# Altium PCB controleo3_clone.PcbDoc (part 2 of 2)
Units mm, origin at the board's own origin, x right, y up, seen from the top; angles counter-clockwise.
Board outline 128 x 70 mm, 4 copper layers (Top Layer, GND, PWR, Bottom Layer), stack 1.571 mm thick; 93 components, 97 nets, 462 pads, 160 vias.
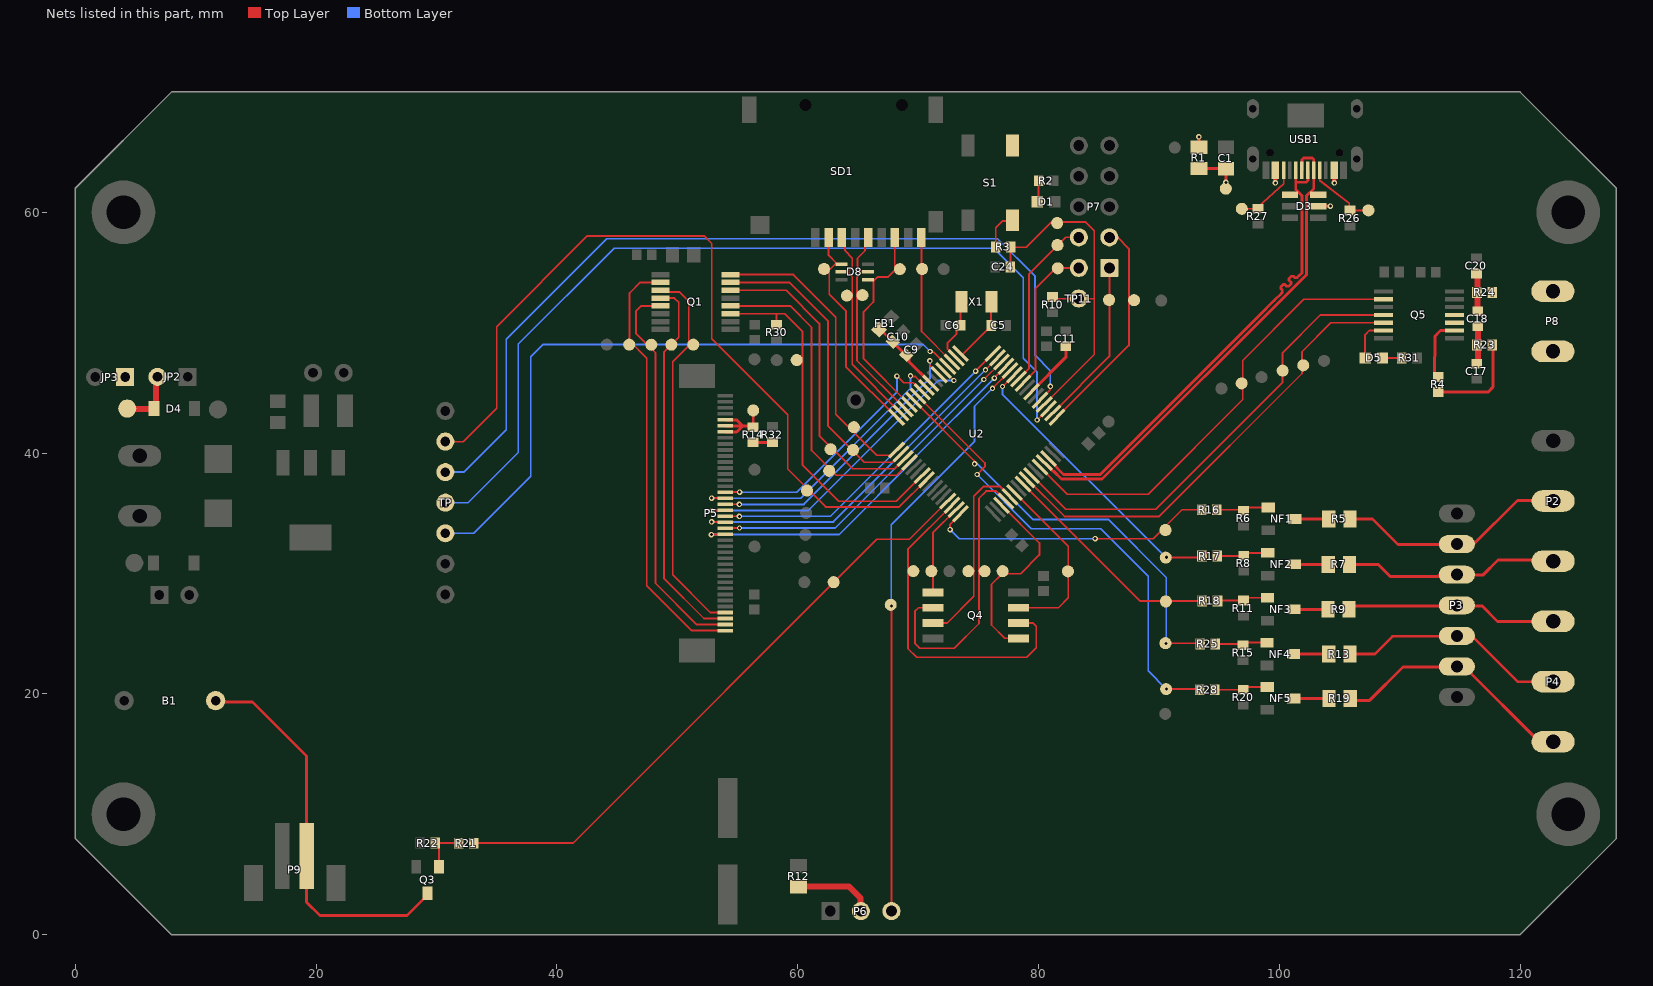
[diagram p4: the nets of this part, all layers, seen from the top]

## Via types
v1: diameter 0.45, hole 0.25, Top Layer to Bottom Layer, tented both sides, 159 vias
v2: diameter 0.6, hole 0.3, Top Layer to Bottom Layer, tented both sides, 1 vias

## Nets (pads, with @x,y where several pads share a name; then routed paths per layer and width w, separated by ;. In a path a pad name is that pad's centre, name@x,y a point inside that pad or via, vN(x,y) a via of type N, cw(c..) or ccw(c..) an arc to the next point about the centre after c; other vN are vias at no path point) (continued)
MX_CS: pad.14 Q5.9 U2.44 | length 38.1
  Top Layer w0.15: U2.44@80.122,38.853 82.385,36.59 89.11,36.59 96.97,44.45 96.97,47.69 102.05,52.77 Q5.9@108.7,52.77
MX_SDI: pad.11 Q5.12 U2.41 | length 38.7
  Top Layer w0.15: U2.41@79.085,37.815 82.16,34.74 90.02,34.74 101.89,46.61 101.89,48.42 104.29,50.82 Q5.12@108.83,50.82
MX_SDO: pad.13 Q5.11 U2.42 | length 38.7
  Top Layer w0.15: U2.42@79.435,38.165 82.26,35.34 89.74,35.34 100.28,45.88 pad.13@100.28,46.85 100.28,48.34 103.41,51.47 Q5.11@108.85,51.47
NetB1_1: B1.1 P9.1 Q3.3 | length 33.5
  Top Layer w0.15: Q3.3@29.26,3.45 29.335,3.375 Q3.3@29.41,3.3
  Top Layer w0.25: B1.1@11.56,19 B1.1@11.94,19.38 ; B1.1@11.94,19.32 14.73,19.32 19.21,14.84 P9.1@19.21,6.53 19.21,2.7 20.32,1.59 27.55,1.59 Q3.3@29.335,3.375 ; Q3.3@29.18,3.53 Q3.3@29.26,3.45
NetC5_1: C5.1 U2.1 X1.P$2 | length 5.6
  Top Layer w0.15: U2.1@73.527,48.276 73.608,48.195 73.7,48.195 76.065,50.56 C5.1@76.065,50.61 76.065,52.555 X1.P$2@76.09,52.58
NetC6_1: C6.1 U2.2 X1.P$1 | length 5.4
  Top Layer w0.15: U2.2@73.173,47.923 72.45,48.646 72.45,49.17 73.2,49.92 73.2,50.295 C6.1@73.525,50.62 73.525,52.515 X1.P$1@73.59,52.58
NetC9_2: C9.2 C10.2 FB1.2 U2.8 | length 6.3
  Top Layer w0.25: FB1.2@66.767,50.257 66.889,50.257 68.038,49.108 68.038,49.088 69.238,47.888 69.238,47.615 U2.8@71.052,45.801
NetC17_1: C17.1 C18.2 Q5.3 R23.2 | length 3
  Top Layer w0.5: R23.2@116.457,48.987 R23.2@116.46,48.99 ; C18.2@116.48,50.525 116.5,50.505 116.5,49.107 116.5,47.65 C17.1@116.55,47.6 ; C17.1@116.52,47.645 116.527,47.637 C17.1@116.552,47.637 ; C17.1@116.535,47.655 C17.1@116.552,47.637 ; C17.1@116.57,47.62 C17.1@116.552,47.637
NetC18_1: C18.1 C20.2 Q5.4 R24.2 | length 2.9
  Top Layer w0.5: C20.2@116.47,54.805 C20.2@116.47,54.88 ; C18.1@116.48,51.775 C20.2@116.48,54.615
NetD1_1: D1.1 R2.2 | length 1.8
  Top Layer w0.15: D1.1@79.915,60.87 80.015,60.97 R2.2@80.015,62.62
NetD5_1: D5.1 R31.2 | length 1.6
  Top Layer w0.15: D5.1@108.575,47.9 R31.2@110.185,47.9
NetD5_2: D5.2 Q5.13 | length 3.6
  Top Layer w0.15: D5.2@107.125,47.9 107.125,49.835 107.47,50.18 Q5.13@108.65,50.18
NetNF1_1: NF1.1 R6.2 R16.1 | length 4.4
  Top Layer w0.152: R16.1@94.805,35.29 96.955,35.29 R6.2@97.04,35.205 97.315,35.48 NF1.1@99.09,35.48
NetNF1_4: NF1.3 R5.1 | length 2.8
  Top Layer w0.25: NF1.3@101.29,34.53 R5.1@104.115,34.53
NetNF2_1: NF2.1 R8.2 R17.1 | length 4.3
  Top Layer w0.152: R17.1@94.835,31.45 97.035,31.45 R8.2@97.05,31.465 97.295,31.71 NF2.1@99.05,31.71
NetNF2_4: NF2.3 R7.1 | length 2.8
  Top Layer w0.25: NF2.3@101.25,30.76 R7.1@104.075,30.76
NetNF3_1: NF3.1 R11.2 R18.1 | length 4.3
  Top Layer w0.152: R18.1@94.865,27.73 94.89,27.755 R11.2@97.02,27.755 97.245,27.98 NF3.1@99.02,27.98
NetNF3_4: NF3.3 R9.1 | length 2.8
  Top Layer w0.25: NF3.3@101.22,27.03 R9.1@104.045,27.03
NetNF4_1: NF4.1 R15.2 R25.1 | length 4.4
  Top Layer w0.152: R25.1@94.695,24.15 96.875,24.15 R15.2@96.99,24.035 97.215,24.26 NF4.1@98.99,24.26
NetNF4_4: NF4.3 R13.1 | length 2.9
  Top Layer w0.25: NF4.3@101.19,23.31 R13.1@104.115,23.31
NetNF5_1: NF5.1 R20.2 R28.1 | length 4.5
  Top Layer w0.15: R28.1@94.645,20.35 97.005,20.35 R20.2@97.01,20.345 97.235,20.57 NF5.1@99.01,20.57
NetNF5_4: NF5.3 R19.1 | length 2.9
  Top Layer w0.25: NF5.3@101.21,19.62 R19.1@104.135,19.62
NetP2_2: P2.2 P3.2 R5.2 | length 19.3
  Top Layer w0.25: R5.2@105.865,34.53 107.74,34.53 109.87,32.4 113.27,32.4 116.11,32.4 119.78,36.07 122.7,36.07 P2.2@122.75,36.02
NetP2_3: P2.3 P3.3 R7.2 | length 17.9
  Top Layer w0.256: R7.2@105.825,30.76 108.2,30.76 109.2,29.76 113.17,29.76 113.27,29.86 116.9,29.86 118.16,31.12 122.65,31.12 P2.3@122.75,31.02
NetP3_4: P3.4 P4.1 R9.2 | length 17.6
  Top Layer w0.25: R9.2@105.795,27.03 106.085,27.32 113.27,27.32 116.83,27.32 118.13,26.02 P4.1@122.74,26.02
NetP3_5: P3.5 P4.2 R13.2 | length 19
  Top Layer w0.225: R13.2@105.865,23.31 107.94,23.31 109.41,24.78 113.27,24.78 116.04,24.78 119.8,21.02 P4.2@122.74,21.02
NetP3_6: P3.6 P4.3 R19.2 | length 20.7
  Top Layer w0.25: R19.2@105.885,19.62 105.885,19.47 107.51,19.47 110.28,22.24 115.38,22.24 121.6,16.02 P4.3@122.74,16.02
NetP5_34: P5.34 P5.35 P5.36 pad.59 R14.1 | length 7
  Top Layer w0.2: R14.1@56.3,42.145 R14.1@56.37,42.215 ; pad.59@56.31,43.54 56.31,42.265 R14.1@56.325,42.25
  Top Layer w0.25: P5.34@54,41.76 54.94,41.76 55.43,42.25 ; P5.35@54,42.26 54.01,42.25 55.43,42.25 ; P5.36@54,42.76 54.92,42.76 55.43,42.25 ; R14.1@56.275,42.12 R14.1@56.3,42.145 ; R14.1@56.325,42.25 55.43,42.25
NetP6_2: P6.2 R12.2 | length 6.8
  Top Layer w0.5: R12.2@60.08,3.985 64.275,3.985 65.23,3.03 65.23,1.86 P6.2@65.3,1.79
NetP8_1: P8.1 R24.1
NetP8_2: P8.2 R4.1 R23.1 | length 8.5
  Top Layer w0.25: R4.1@113.03,45.06 117.33,45.06 117.74,45.47 R23.1@117.74,48.96 ; R4.1@113.24,44.98 R4.1@113.32,45.06
NetQ3_2: Q3.1 R21.1 R22.2 | length 4
  Top Layer w0.15: R22.2@29.915,7.61 R22.2@29.945,7.61 ; Q3.1@30.21,5.65 30.21,7.345 R22.2@29.945,7.61 ; R21.1@31.845,7.59 31.825,7.61 R22.2@29.945,7.61
NetQ5_2: Q5.2 R4.2 | length 5.2
  Top Layer w0.25: R4.2@112.91,46.36 112.931,49.711 113.4,50.18 Q5.2@114.55,50.18
NetR3_1: R3.1 S1.1 | length 3.2
  Top Layer w0.15: R3.1@76.455,57.13 76.455,58.705 77.03,59.28 77.77,59.28 S1.1@77.84,59.35
NetR14_2: R14.2 R32.1 | length 1.9
  Top Layer w0.25: R14.2@56.245,40.95 R14.2@56.3,40.895 57.1,40.895 57.105,40.895 ; 57.1,40.89 57.105,40.895 ; R32.1@58.1,40.885 58.09,40.895 57.105,40.895
NetR26_1: pad.54 R26.1 USB1.A5 | length 6.2
  Top Layer w0.15: USB1.A5@103.37,63.502 103.37,62.64 105.814,60.753 105.814,60.47 105.874,60.17 R26.1@105.878,60.153 ; R26.1@105.87,60.145 R26.1@105.878,60.153 ; R26.1@105.89,60.09 105.879,60.147 R26.1@105.878,60.153 ; pad.54@107.41,60.16 105.885,60.16 R26.1@105.878,60.153
OUT1: pad.10 R16.2 U2.32 | length 23.9
  Top Layer w0.152: v1(72.66,33.64) 72.66,34.097 U2.32@73.527,34.964 ; v1(84.71,32.89) 89.52,32.89 91.92,35.29 R16.2@93.555,35.29
  Bottom Layer w0.152: v1(72.66,33.64) 73.41,32.89 v1(84.71,32.89)
OUT2: pad.9 R17.2 U2.59 | length 24.3
  Top Layer w0.152: v1(77.01,45.53) 77.016,45.53 77.995,46.509 U2.59@78.001,46.509 ; v1(90.65,31.35) 90.68,31.32 93.455,31.32 R17.2@93.585,31.45
  Bottom Layer w0.152: v1(77.01,45.53) 77.01,44.88 v1@90.595,31.295
OUT3: pad.8 R18.2 U2.40 | length 18.9
  Top Layer w0.152: U2.40@78.708,37.439 88.416,27.73 R18.2@93.615,27.73
OUT4: pad.6 R25.2 U2.12 | length 35.5
  Top Layer w0.15: U2.12@69.638,44.387 74.643,39.383 74.643,39.167 v1(74.7,39.11) ; v1(90.59,24.17) 90.63,24.21 93.385,24.21 R25.2@93.445,24.15
  Bottom Layer w0.15: v1(74.7,39.11) 74.92,39.11 79.54,34.49 85.79,34.49 90.61,29.67 v1@90.61,24.22
OUT5: pad.7 R28.2 U2.11 | length 39.6
  Top Layer w0.15: U2.11@69.991,44.741 75.553,39.18 75.553,38.863 v1(74.91,38.22) ; v1(90.63,20.4) 93.345,20.4 R28.2@93.395,20.35
  Bottom Layer w0.15: v1(74.91,38.22) 79.41,33.72 85.17,33.72 89.12,29.77 89.12,21.91 v1(90.63,20.4)
OUT6: pad.31 TP.2 U2.24 | length 68.5
  Top Layer w0.15: TP.2@30.82,40.94 32.22,40.94 35.01,43.73 35.01,50.51 42.54,58.04 52.23,58.04 52.86,57.41 52.86,49.51 59.17,43.2 59.17,38.68 62.32,35.53 68.436,35.53 U2.24@70.699,37.792
PA03: TP.5 U2.4 | length 54.8
  Top Layer w0.15: v1(71,48.44) 71.057,48.383 71.299,48.383 U2.4@72.466,47.216
  Bottom Layer w0.15: TP.5@30.74,33.34 33.09,33.34 37.83,38.08 37.83,48 38.86,49.03 70.41,49.03 v1(71,48.44)
PA27: TP.4 U2.51 | length 76.7
  Top Layer w0.15: v1(79.89,42.75) 79.895,42.75 80.825,43.68 U2.51@80.829,43.68
  Bottom Layer w0.15: TP.4@30.74,35.88 32.62,35.88 36.79,40.05 36.79,49.06 44.75,57.02 76.27,57.02 78.73,54.56 78.73,47.87 79.89,46.71 v1(79.89,42.75)
PA28: TP.3 U2.53 | length 73.9
  Top Layer w0.15: U2.53@80.122,44.387 80.98,45.245 v1(80.98,45.55)
  Bottom Layer w0.15: TP.3@30.74,38.42 32.28,38.42 35.8,41.94 35.8,49.45 44.16,57.81 76.6,57.81 79.72,54.69 79.72,48.11 80.98,46.85 v1(80.98,45.55)
PB00: P5.17 U2.61 | length 31.5
  Top Layer w0.15: v1(52.84,33.23) 52.855,33.245 53.985,33.245 P5.17@54,33.26 ; v1(76.33,46.23) 76.33,46.241 77.294,47.205 U2.61@77.294,47.216
  Bottom Layer w0.15: v1@52.85,33.24 63.44,33.24 69.856,39.656 69.856,39.756 v1(76.33,46.23)
PB01: P5.18 U2.62 | length 28.7
  Top Layer w0.15: P5.18@54,33.76 54.01,33.77 55.16,33.77 v1(55.17,33.78) ; v1(75.46,46.11) 75.47,46.11 76.93,47.569 U2.62@76.94,47.569
  Bottom Layer w0.15: v1@55.16,33.78 v1(55.17,33.78) 63.13,33.78 v1(75.46,46.11)
PB02: P5.19 U2.63 | length 30.5
  Top Layer w0.15: v1(52.86,34.29) 52.875,34.275 53.985,34.275 P5.19@54,34.26 ; v1(75.6,46.92) 75.6,46.928 76.587,47.915 U2.63@76.587,47.923
  Bottom Layer w0.15: v1(52.86,34.29) 62.97,34.29 v1(75.6,46.92)
PB03: P5.20 U2.64 | length 27.9
  Top Layer w0.15: P5.20@54,34.76 54.005,34.755 55.155,34.755 v1(55.16,34.75) ; v1(74.78,46.8) 74.837,46.857 74.837,46.877 75.709,47.749 75.709,47.752 U2.64@76.233,48.276
  Bottom Layer w0.15: v1@55.16,34.74 55.17,34.75 62.73,34.75 v1(74.78,46.8)
PB04: P5.21 U2.5 | length 27
  Top Layer w0.15: v1(52.85,35.23) 52.865,35.245 53.985,35.245 P5.21@54,35.26 ; U2.5@72.113,46.862 72.125,46.862 72.957,46.03 v1(72.97,46.03)
  Bottom Layer w0.15: v1(52.85,35.23) 60.88,35.23 71.68,46.03 v1(72.97,46.03)
PB05: P5.22 U2.6 | length 24.3
  Top Layer w0.15: P5.22@54,35.76 54.01,35.75 55.14,35.75 v1(55.15,35.74) ; v1(70.98,47.66) 70.977,47.657 70.977,47.291 U2.6@71.759,46.509
  Bottom Layer w0.15: v1(55.15,35.74) 60.52,35.74 70.98,46.2 v1(70.98,47.66)
PB06: P5.23 U2.9 | length 24.2
  Top Layer w0.15: v1(52.86,36.26) P5.23@54,36.26 ; v1(69.37,46.42) 69.427,46.363 69.784,46.363 U2.9@70.699,45.448
  Bottom Layer w0.15: v1@52.85,36.25 60.24,36.25 69.37,45.38 v1(69.37,46.42)
PB07: P5.24 U2.10 | length 21.6
  Top Layer w0.15: P5.24@54,36.76 v1(55.18,36.76) ; v1(68.24,46.39) 68.271,46.39 68.811,45.85 69.589,45.85 U2.10@70.345,45.094
  Bottom Layer w0.15: v1@55.18,36.75 59.92,36.75 68.24,45.07 v1(68.24,46.39)
RESET: C24.2 pad.48 R3.2 R10.1 TP11.1 U2.52 | length 29.7
  Top Layer w0.15: C24.2@77.665,55.47 77.665,57.09 R3.2@77.675,57.1 ; R3.2@77.695,57.435 R3.2@77.975,57.435 ; R3.2@77.705,57.13 R3.2@77.675,57.1 ; U2.52@80.476,44.034 84.63,48.188 84.63,52.82 ; R10.1@81.2,52.82 84.63,52.82 ; R3.2@77.675,57.1 78.97,57.1 81.06,59.19 83.91,59.19 84.63,58.47 84.63,52.82
RXD: P7.1 pad.43 U2.50 | length 14
  Top Layer w0.15: U2.50@81.183,43.327 85.89,48.034 P7.1@85.89,55.38
SD_CLK: D8.2 pad.34 SD1.5 U2.14 | length 16.6
  Top Layer w0.15: SD1.5@65.87,57.91 65.59,57.63 65.59,56.81 64.97,56.19 64.97,55.43 65.345,55.055 ; U2.14@68.931,43.68 64.93,47.681 64.93,54.64 65.345,55.055 ; 65.345,55.055 65.35,55.05 65.35,55.06 65.345,55.055
SD_CS: D8.4 pad.33@62.19,55.29 SD1.2 U2.16 | length 17.8
  Top Layer w0.15: SD1.2@62.57,57.91 62.57,56.42 63.2,55.79 62.62,55.21 62.62,53.2 64.01,51.81 64.01,47.187 U2.16@68.224,42.973
SD_DETECT: pad.36 SD1.9 U2.3 | length 11.4
  Top Layer w0.15: SD1.9@70.29,57.91 70.29,50.099 U2.3@72.82,47.569
SD_MISO: D8.1 pad.32 SD1.7 U2.13 | length 17.2
  Top Layer w0.15: SD1.7@68.07,58.11 68.07,55.19 67.51,54.63 66.65,54.63 66.29,54.27 66.29,52.55 65.48,51.74 65.48,47.838 U2.13@69.284,44.034
SD_MOSI: D8.5 pad.35 SD1.3 U2.15 | length 16.9
  Top Layer w0.15: SD1.3@63.67,57.91 63.94,57.64 63.94,56.8 64.54,56.2 64.54,55.41 64.175,55.045 64.54,54.68 64.54,47.364 U2.15@68.577,43.327
sel: pad.53 R27.1 USB1.B5 | length 5.6
  Top Layer w0.141: pad.53@96.89,60.29 98.225,60.29 R27.1@98.23,60.285 ; R27.1@98.18,60.25 98.245,60.25 98.247,60.284 98.254,60.45 100.37,62.375 USB1.B5@100.37,63.502
SERVO: P6.3 pad.21 U2.60 | length 49
  Top Layer w0.15: P6.3@67.79,1.96 67.8,1.97 pad.21@67.8,27.37 ; v1(76.18,45.37) 76.18,45.382 77.647,46.85 U2.60@77.647,46.862
  Bottom Layer w0.15: v1@67.78,27.35 67.78,34.06 74.68,40.96 74.68,43.87 v1(76.18,45.37)
  other v1: 67.79,27.32
SF_CS: pad.20 Q4.1 U2.31 | length 7.7
  Top Layer w0.15: Q4.1@71.23,28.425 71.23,33.374 U2.31@73.173,35.317
SF_HOLD: pad.16 Q4.7 U2.38 | length 15.1
  Top Layer w0.15: U2.38@78.001,36.731 82.48,32.252 82.48,27.97 81.665,27.155 Q4.7@78.33,27.155
SF_MISO: pad.19 Q4.2 U2.36 | length 23.8
  Top Layer w0.15: Q4.2@71.23,27.155 70.035,27.155 69.74,26.86 69.74,24.2 70.15,23.79 73,23.79 75.06,25.85 75.06,36.25 75.65,36.84 76.478,36.84 U2.36@77.294,36.024
SF_MOSI: pad.17@77.02,30.19 Q4.5 U2.35 | length 16.5
  Top Layer w0.15: U2.35@76.94,35.671 80.08,32.531 80.08,31.54 78.52,29.98 76.99,29.98 76.1,29.09 76.1,25.72 77.205,24.615 Q4.5@78.33,24.615
SF_SCK: pad.15 Q4.6 U2.30 | length 28.1
  Top Layer w0.15: U2.30@72.82,35.671 69.16,32.011 69.16,23.77 69.88,23.05 79.03,23.05 79.81,23.83 79.81,25.63 79.555,25.885 Q4.6@78.33,25.885
SF_WP: pad.18 Q4.3 U2.37 | length 16.3
  Top Layer w0.15: Q4.3@71.23,25.885 72.405,25.885 74.63,28.11 74.63,36.41 75.45,37.23 76.795,37.23 U2.37@77.647,36.378
SPI_MISO: pad.22 R21.2 U2.29 | length 51.1
  Top Layer w0.15: R21.2@33.05,7.59 R21.2@33.095,7.59 ; R21.2@33.14,7.61 35.46,7.61 35.52,7.61 41.34,7.61 66.58,32.85 69.292,32.85 U2.29@72.466,36.024
SWCLK: P7.2 pad.46 U2.57 | length 13
  Top Layer w0.15: U2.57@78.708,45.801 79.75,46.844 79.75,53.65 81.48,55.38 P7.2@83.35,55.38 P7.2@83.06,55.09
SWDIO: P7.4 pad.45 U2.58 | length 14.5
  Top Layer w0.15: U2.58@78.354,46.155 79.21,47.011 79.21,54.85 82.28,57.92 P7.4@83.35,57.92
T_CLK: pad.41 Q1.16 U2.17 | length 24.9
  Top Layer w0.15: Q1.16@54.41,54.825 59.645,54.825 63.17,51.3 63.17,43.22 66.57,39.82 67.777,39.82 U2.17@68.224,40.267
T_CS: pad.40 Q1.15 U2.18 | length 25.7
  Top Layer w0.15: Q1.15@54.41,54.175 59.315,54.175 62.53,50.96 62.53,42.23 65.52,39.24 67.904,39.24 U2.18@68.577,39.913
T_MISO: pad.38 Q1.12 U2.20 | length 27.1
  Top Layer w0.15: Q1.12@54.41,52.225 59.375,52.225 61.15,50.45 61.15,40.22 63.21,38.16 68.238,38.16 U2.20@69.284,39.206
T_MOSI: pad.39 Q1.14 U2.19 | length 26.5
  Top Layer w0.15: Q1.14@54.41,53.525 59.045,53.525 61.81,50.76 61.81,41.45 64.56,38.7 68.071,38.7 U2.19@68.931,39.56
T_PEN_IRQ: pad.37 Q1.11 R30.2 U2.23 | length 30.7
  Top Layer w0.15: Q1.11@54.41,51.575 58.25,51.575 ; R30.2@58.25,50.655 58.25,51.575 ; U2.23@70.345,38.146 68.199,36 63.43,36 60.39,39.04 60.39,50.11 58.925,51.575 58.25,51.575
TXD: P7.3 pad.44@87.94,52.7 U2.49 | length 18.5
  Top Layer w0.15: U2.49@81.536,42.973 87.51,48.947 87.51,56.98 86.57,57.92 P7.3@85.89,57.92
USB_5V: D4.1 JP2.2 JP3.1 pad.65 R1.2 | length 6
  Top Layer w0.25: R1.2@93.32,65.395 v1(93.32,66.27)
  Top Layer w0.5: pad.65@4.32,43.67 D4.1@6.66,43.67 ; D4.1@6.555,43.7 6.693,43.837 6.693,46.193 JP2.2@6.83,46.33
USB_N: D3.6 U2.45 USB1.A7 USB1.B7 | length 41.2
  Top Layer w0.229: U2.45@80.476,39.206 80.511,39.206 81.223,38.495 81.271,38.495 81.927,37.839 85.286,37.839 102.261,54.814 102.261,61.371 102.87,61.98 USB1.B7@102.87,63.502 102.87,64.37 102.73,64.51 102.01,64.51 101.88,64.38 USB1.A7@101.88,63.48
USB_P: D3.1 U2.46 USB1.A6 USB1.B6 | length 40.4
  Top Layer w0.229: U2.46@80.829,39.56 80.829,39.524 81.541,38.813 81.541,38.764 82.085,38.221 85.128,38.221 98.294,51.386 99.569,52.661 100.169,53.261 100.25,53.342 100.25,53.532 100.123,53.658 100.123,53.797 100.331,54.004 100.469,54.004 100.621,53.852 100.76,53.852 100.967,54.059 100.967,54.198 100.815,54.35 100.815,54.488 101.022,54.696 101.161,54.696 101.287,54.569 101.477,54.569 101.675,54.768 101.879,54.972 101.879,61.371 101.37,61.88 101.37,62.49 ; USB1.B6@101.37,63.485 101.37,62.49 ; USB1.A6@102.36,63.51 102.38,63.49 102.38,62.64 102.23,62.49 101.37,62.49
vddcore: C11.1 U2.55 | length 5
  Top Layer w0.25: U2.55@79.415,45.094 82.27,47.949 C11.1@82.27,48.875
VSUB: C1.1 D3.5 pad.51@95.56,61.96 R1.1 USB1.A4 USB1.B4 | length 6.7
  Top Layer w0.25: R1.1@93.32,63.645 95.545,63.645 C1.1@95.57,63.62 C1.1@95.56,63.61 ; v1(95.56,62.48) C1.1@95.56,63.35 ; D3.5@103.22,60.51 v1(104.24,60.51)
  Top Layer w0.4: v1(99.67,62.45) USB1.B4@99.67,63.887 ; v1(104.57,62.45) USB1.A4@104.57,63.59
X+: P5.1 pad.27@46.01,49.01 Q1.2 | length 35.9
  Top Layer w0.15: Q1.2@48.61,54.175 46.915,54.175 46.04,53.3 46.04,49.31 47.46,47.89 47.46,28.99 51.19,25.26 P5.1@54,25.26
X-: P5.3 pad.29 Q1.4 | length 31.6
  Top Layer w0.15: Q1.4@48.61,52.875 49.765,52.875 50.12,52.52 50.12,49.61 48.91,48.4 48.91,29.57 52.22,26.26 P5.3@54,26.26
Y+: P5.4 pad.30 Q1.3 | length 31.8
  Top Layer w0.15: Q1.3@48.61,53.525 48.76,53.375 50.195,53.375 50.95,52.62 50.95,48.91 49.62,47.58 49.62,29.88 52.74,26.76 P5.4@54,26.76 P5.4@53.925,26.835
Y-: P5.2 pad.28 Q1.5 | length 32.7
  Top Layer w0.15: Q1.5@48.61,52.225 47.005,52.225 46.57,51.79 46.57,49.94 48.19,48.32 48.19,29.2 51.63,25.76 P5.2@54,25.76
pads on no net: D3.3 D3.4 P5.0 P5.8 P5.14 P7.9 P7.10 P9.0 Q1.13 Q5.6 Q5.7 SD1.0 SD1.1 SD1.8 USB1.0@99.23,64.948 USB1.0@105.01,64.948 USB1.A8 USB1.B8

## Polygon pours and split planes (outlines as drawn)
NetP8_2 on Top Layer "NETP8_2_L01_P001" (solid, pour order 1): 117.29,50.5 117.69,50.9 124.76,50.9 125.16,50.5 125.16,46.93 124.62,46.39 117.81,46.39 117.29,46.91
NetP8_1 on Top Layer "NETP8_1_L01_P000" (solid, pour order 0): 117.59,55.43 117.29,55.13 117.29,51.74 117.67,51.36 124.76,51.36 125.17,51.77 125.17,55.11 124.85,55.43
GND on GND (split plane): 127.49,61.789 127.49,8.211 119.789,0.51 8.211,0.51 0.51,8.211 0.51,61.789 8.211,69.49 119.789,69.49
5V on PWR (split plane): 127.49,8.211 119.789,0.51 8.211,0.51 0.51,8.211 0.51,42.279 9.159,42.279 9.159,33.22 9.164,33.161 9.181,33.105 9.209,33.053 9.247,33.007 12.937,29.317 12.983,29.279 13.035,29.251 13.091,29.234 13.15,29.229 39.31,29.229 39.31,22.52 39.319,22.42 39.348,22.325 39.396,22.236 39.459,22.159 39.536,22.096 39.625,22.048 39.72,22.019 39.82,22.01 46.32,22.01 46.397,22.017 49.467,18.947 49.513,18.909 49.565,18.881 49.621,18.864 49.68,18.859 103.03,18.859 103.089,18.864 103.145,18.881 103.197,18.909 103.243,18.947 109.253,24.957 109.291,25.003 109.319,25.055 109.336,25.111 109.341,25.17 109.336,25.229 109.321,25.276 109.321,38.555 114.525,43.759 127.49,43.759
USB_5V on PWR (split plane): 94.179,64.431 14.88,64.431 14.821,64.426 14.765,64.409 14.713,64.381 14.667,64.343 9.247,58.923 9.209,58.877 9.181,58.825 9.164,58.769 9.159,58.71 9.159,42.881 0.51,42.881 0.51,61.789 8.211,69.49 94.179,69.49
3V3 on PWR (split plane): 127.49,61.789 127.49,44.361 114.4,44.361 114.341,44.356 114.285,44.339 114.233,44.311 114.187,44.273 108.807,38.893 108.769,38.847 108.741,38.795 108.724,38.739 108.719,38.68 108.719,25.275 102.905,19.461 49.805,19.461 46.823,22.443 46.83,22.52 46.83,47.52 46.821,47.62 46.792,47.715 46.744,47.804 46.681,47.881 46.604,47.944 46.515,47.992 46.42,48.021 46.32,48.03 39.82,48.03 39.72,48.021 39.625,47.992 39.536,47.944 39.459,47.881 39.396,47.804 39.348,47.715 39.319,47.62 39.31,47.52 39.31,29.831 13.275,29.831 9.761,33.345 9.761,42.58 9.761,58.585 15.005,63.829 94.179,63.829 94.179,61.78 94.184,61.721 94.201,61.665 94.229,61.613 94.267,61.567 98.037,57.797 98.083,57.759 98.135,57.731 98.191,57.714 98.25,57.709 105.82,57.709 105.879,57.714 105.935,57.731 105.987,57.759 106.033,57.797 109.883,61.647 109.921,61.693 109.949,61.745 109.966,61.801 109.971,61.86 109.971,69.49 119.789,69.49
VSUB on PWR (split plane): 109.369,61.985 105.695,58.311 98.375,58.311 94.781,61.905 94.781,64.23 94.781,69.49 109.369,69.49

## Other copper
Top Layer:
  region net NetC17_1: 115.21,51 115.35,51 116.07,50.92 116.08,50.46 115.28,50.66 115.21,50.66
  region net NetC18_1: 115.22,51.31 115.35,51.31 116.05,51.38 116.05,51.85 115.35,51.67 115.21,51.65
  region net heat_sink: 17.795,35 21.36,35 22.29,34.07 22.29,31.51 21.45,30.67 17.703,30.67 16.92,31.629 16.92,34.125
  region net GND: 55.37,69.61 54.92,69.61 54.71,69.4 54.71,67.66 54.95,67.42 57.09,67.42 57.25,67.58 57.25,69.41 57.04,69.62
  region net GND: 70.86,69.6 70.41,69.6 70.2,69.39 70.2,67.65 70.44,67.41 72.58,67.41 72.74,67.57 72.74,69.4 72.53,69.61
  region net GND: 100.04,69.065 100.04,67 100.22,66.82 104.14,66.82 104.34,67.02 104.34,69.03 104.1,69.27 100.237,69.27
  region net 3V3: 18.96,44.825 18.96,45.25 19.17,45.46 20.11,45.46 20.26,45.31 20.26,44.815
Bottom Layer:
  region net heat_sink: 17.795,35 21.36,35 22.29,34.07 22.29,31.51 21.45,30.67 17.703,30.67 16.92,31.629 16.92,34.125
PWR (plane layer: these items are gaps in the copper):
  lines w0.6: 0.17,44 0.17,42.58 9.46,42.58 ; 39.81,27.13 39.81,29.53 13.15,29.53 9.46,33.22 9.46,42.58 ; 46.32,22.52 49.68,19.16 103.03,19.16 109.04,25.17 109.02,25.17 109.02,38.68 114.4,44.06 128.03,44.06 ; 94.48,64.13 14.88,64.13 9.46,58.71 9.46,42.58 ; 94.48,69.98 94.48,64.23 94.48,61.78 98.25,58.01 105.82,58.01 109.67,61.86 109.67,69.98 109.26,69.98

## Silkscreen, mask and mechanical layers (free items; w line width, h text height)
Top Overlay:
  drawing of 90 lines, arcs and shapes, not listed
  text "TF/SD" at 47.34,68.14 h1
  text "RESET" at 73.54,66.95 h1
  text "GND" at 91.87,66.18 h0.8 r90
  text "SCK" at 46.3,65.62 h1
  text "PA5" at 50.54,65.58 h1
  text "CS" at 46.23,64.07 h1
  text "PA7" at 50.51,64.07 h1
  text "PRG" at 89.24,62.93 h1
  text "PA6" at 50.46,62.53 h1
  text "MOSI" at 46.23,62.51 h1
  text "CC1" at 97.58,61.03 h0.8 r90
  text "MISO" at 46.2,60.94 h1
  text "PA4" at 50.44,60.93 h1
  text "NC" at 88.2,60.94 h1
  text "NC" at 91.71,60.93 h1
  text "CC2" at 108.13,60.94 h0.8 r90
  text "SW" at 46.18,59.43 h1
  text "3V3" at 87.6,59.42 h1
  text "3V3" at 91.26,59.41 h1
  text "PA2" at 50.45,59.36 h1
  text "Touch" at 34.75,58.74 h1
  text "RST" at 78.65,58.56 h0.8
  text "VUSB" at 96.04,58.04 h0.8 r90
  text "GND" at 87.58,57.85 h1
  text "GND" at 91.23,57.84 h1
  text "SIO" at 78.58,56.65 h0.8
  text "SIO" at 87.65,56.25 h1
  text "TX" at 91.68,56.25 h1
  text "CLK" at 33.15,56.2 h1
  text "PA8" at 37.7,56.2 h1
  text "GND" at 70.47,55.9 h0.8
  text "SCK" at 78.45,54.74 h0.8
  text "RX" at 91.78,54.73 h1
  text "CS" at 59.75,54.72 h0.8
  text "CLK" at 87.66,54.65 h1
  text "PA9" at 37.8,54.61 h1
  text "CS" at 33.15,54.59 h1
  text "PA10" at 37.73,53 h1
  text "MOSI" at 33.15,52.98 h1
  text "SO" at 69.02,52.92 h0.8 r90
  text "DET" at 70.83,52.26 h0.8 r90
  text "MISO" at 33.15,51.37 h1
  text "PA11" at 37.75,51.34 h1
  text "+" at 117.14,51.26 h1.3
  text "SI" at 64.6,51.01 h0.8 r90
  text "RX" at 86.33,50.26 h0.8 r90
  text "TX" at 88.53,50.19 h0.8 r90
  text "CLK" at 65.88,50.13 h0.8 r90
  text "5V DC 1A min" at 1.3,50.12 h1.5
  text "GND" at 44.71,49.96 h0.8 r90
  text "IRQ" at 33.1,49.74 h1
  text "PB10" at 37.68,49.7 h1
  text "-" at 118.48,49.69 h1.3 r90
  text "GND" at 90.68,49.43 h0.8 r90
  text "RST" at 84.6,48.93 h1 r90
  text "TIRQ" at 60.66,48.59 h0.8 r90
  text "GND" at 104.26,48.47 h0.8 r90
  text "TY+" at 52.03,48.45 h0.8
  text "DI" at 102.53,48.06 h0.8 r90
  text "3V3" at 18.35,47.84 h0.8
  text "GND" at 21.58,47.81 h0.8
  text "DO" at 100.8,47.6 h0.8 r90
  text "GND" at 53.33,47.19 h0.8
  text "CLK" at 99.08,47.07 h0.8 r90
  text "CS" at 97.42,46.59 h0.8 r90
  text "3V" at 95.74,46.16 h0.8 r90
  text "3V" at 57.24,45.99 h0.8
  text "TX+" at 47.64,45.71 h0.8 r90
  text "TY-" at 48.79,45.72 h0.8 r90
  text "TX-" at 49.98,45.72 h0.8 r90
  text "EXTRA" at 28.49,45.27 h1
  text "5VI" at 12.44,44.81 h0.8 r90
  text "LK" at 56.86,44.46 h0.8 r90
  text "GND" at 61.34,43.99 h0.8
  text "GND" at 32.81,42.92 h1
  text "U5V" at 3.29,42.58 h0.8 r90
  text "SDI" at 103.65,42.29 h1
  text "PA20" at 107.09,42.29 h1
  text "GND" at 86.55,42.06 h0.8
  text "TCLK" at 60.63,41.72 h0.8
  text "-" at 11.96,40.93 h2 r90
  text "SDO" at 103.61,40.78 h1
  text "PA21" at 107.1,40.76 h1
  text "PB11" at 32.5,40.34 h1
  text "-O6" at 36.06,40.32 h1
  text "+" at 116.2,40 h2
  text "TSI" at 59.73,39.8 h0.8
  text "CLK" at 103.64,39.25 h1
  text "PA22" at 107.09,39.22 h1
  text "TCS" at 63.74,38.32 h0.8
  text "TSO" at 59.49,38 h0.8
  text "PA28" at 32.52,37.8 h1
  text "CS" at 103.67,37.68 h1
  text "PA23" at 107.1,37.63 h1
  text "GND" at 58.18,37.44 h0.8 r90
  text "O6" at 58.44,36.41 h0.8
  text "PA27" at 32.5,35.21 h1
  text "1" at 117.27,35.06 h1.5
  text "LRD" at 57.58,34.46 h0.8
  text "+" at 110.4,33.97 h2
  text "O1" at 88.46,33.11 h0.8
  text "LRST" at 56.98,33.05 h0.8 r90
  text "LWR" at 57.54,32.68 h0.8
  text "PA03" at 32.5,32.65 h1
  text "+" at 10.47,31.78 h2
  text "1" at 110.87,31.49 h1.5
  text "WP" at 74.69,30.93 h0.8 r90
  text "HLD" at 82.92,30.92 h0.8 r90
  text "SCK" at 70.05,30.89 h0.8 r90
  text "CS" at 71.67,30.9 h0.8 r90
  text "GND" at 73.18,30.9 h0.8 r90
  text "SI" at 77.61,30.9 h0.8 r90
  text "SO" at 76.23,30.86 h0.8 r90
  text "LCD" at 57.47,30.81 h0.8
  text "O2" at 88.27,30.77 h0.8
  text "3V3" at 32.55,30.14 h1
  text "2" at 116.97,30.1 h1.5
  text "BUZ" at 64.31,29.58 h0.8
  text "2" at 110.61,28.95 h1.5
  text "5V" at 4,28.73 h0.8
  text "LCS" at 57.43,28.7 h0.8
  text "PWM" at 64.27,27.67 h0.8
  text "5V" at 32.66,27.5 h1
  text "O3" at 88.32,27.11 h0.8
  text "3" at 110.59,26.41 h1.5
  text "LCD" at 62.62,25.48 h1
  text "3" at 116.96,25.03 h1.5
  text "4" at 110.52,23.88 h1.5
  text "O4" at 88.29,23.66 h0.8
  text "ILI9488" at 60.5,23.55 h1
  text "MIPI DBI" at 60.45,21.9 h1
  text "5" at 110.55,21.36 h1.5
  text "4" at 116.96,20.1 h1.5
  text "Type B" at 60.34,19.99 h1
  text "O5" at 88.19,19.86 h0.8
  text "G" at 110.56,18.81 h1.5
  text "8 bit" at 60.39,18.57 h1
  text "SCK" at 70.2,18.3 h1
  text "PA13" at 74.86,18.26 h1
  text "GND" at 87.4,17.83 h0.8
  text "CS" at 70.18,16.79 h1
  text "PA14" at 74.88,16.79 h1
  text "RD" at 60.41,16.52 h1
  text "PB12" at 63.82,16.5 h1
  text "MOSI" at 70.18,15.18 h1
  text "PA16" at 74.83,15.18 h1
  text "5" at 116.88,15.08 h1.5
  text "WR" at 60.37,15.03 h1
  text "PB13" at 63.83,14.97 h1
  text "MISO" at 70.15,13.52 h1
  text "PA17" at 74.76,13.5 h1
  text "CD" at 60.41,13.42 h1
  text "PB14" at 63.83,13.37 h1
  text "OUTPUTS" at 109.77,13.21 h1
  text "Made in China" at 25.64,12.8 h1.5
  text "PA12" at 45.26,12.01 h1
  text "WP" at 70.1,11.91 h1
  text "PA18" at 74.76,11.89 h1
  text "CS" at 60.37,11.73 h1
  text "PB15" at 63.84,11.7 h1
  text "Controleo3_Clone" at 81.84,11.66 h1.5
  text "O1" at 109.65,10.58 h1
  text "PA15" at 112.79,10.58 h1
  text "HOLD" at 70.08,10.36 h1
  text "PA19" at 74.71,10.33 h1
  text "RST" at 60.45,10.03 h1
  text "PB16" at 63.85,10.03 h1
  text "V1.0A 0322" at 81.91,9.22 h1.5
  text "O2" at 109.62,8.55 h1
  text "PB30" at 112.75,8.53 h1
  text "+" at 22.9,7.62 h2
  text "PB31" at 62,7.35 h1
  text "O3" at 109.61,6.57 h1
  text "PB17" at 112.73,6.54 h1
  text "Pin Compatible" at 82.01,6.2 h1.5
  text "G" at 67.86,4.93 h1.5
  text "V" at 65.29,4.85 h1.5
  text "S" at 62.7,4.82 h1.5
  text "O4" at 109.63,4.57 h1
  text "PB9" at 112.71,4.53 h1
  text "O5" at 109.59,2.54 h1
  text "PB8" at 112.68,2.54 h1
Bottom Overlay:
  lines w0.2: 10.5,4.01 10.5,65.96 105.5,65.96 105.5,4.01 10.5,4.01
Mechanical 5:
  lines w0.2: 0,8 8,0 120,0 128,8 128,62 120,70 8,70 0,62 0,8 ; 39.8,22.45 39.8,47.45 46.3,47.45 46.3,22.45 39.8,22.45
Mechanical 15:
  lines w0.15: 32.8,27.3 32.8,88.3 127.8,88.3 127.8,27.3 32.8,27.3

## Text inside footprints (layer, text, board x,y; h text height)
P1: Top Overlay "1" at 3.445,32.748 h1 r90; Top Overlay "2" at 3.445,37.701 h1 r90
P2: Mechanical 16 "3" at 124.655,32.867 h1 r270; Mechanical 16 "2" at 124.604,37.87 h1 r270; Mechanical 16 "1" at 124.655,42.925 h1 r270
P4: Mechanical 16 "3" at 124.645,17.867 h1 r270; Mechanical 16 "2" at 124.594,22.87 h1 r270; Mechanical 16 "1" at 124.645,27.925 h1 r270
P8: Top Overlay "1" at 124.635,55.482 h1 r270; Top Overlay "2" at 124.635,50.529 h1 r270
U2: Mechanical 13 "*" at 73.766,47.493 h1.27 r315